# Allegro board TDI_KU5P_QSFP28_CXP_V001-20240805_1841.brd (continued)
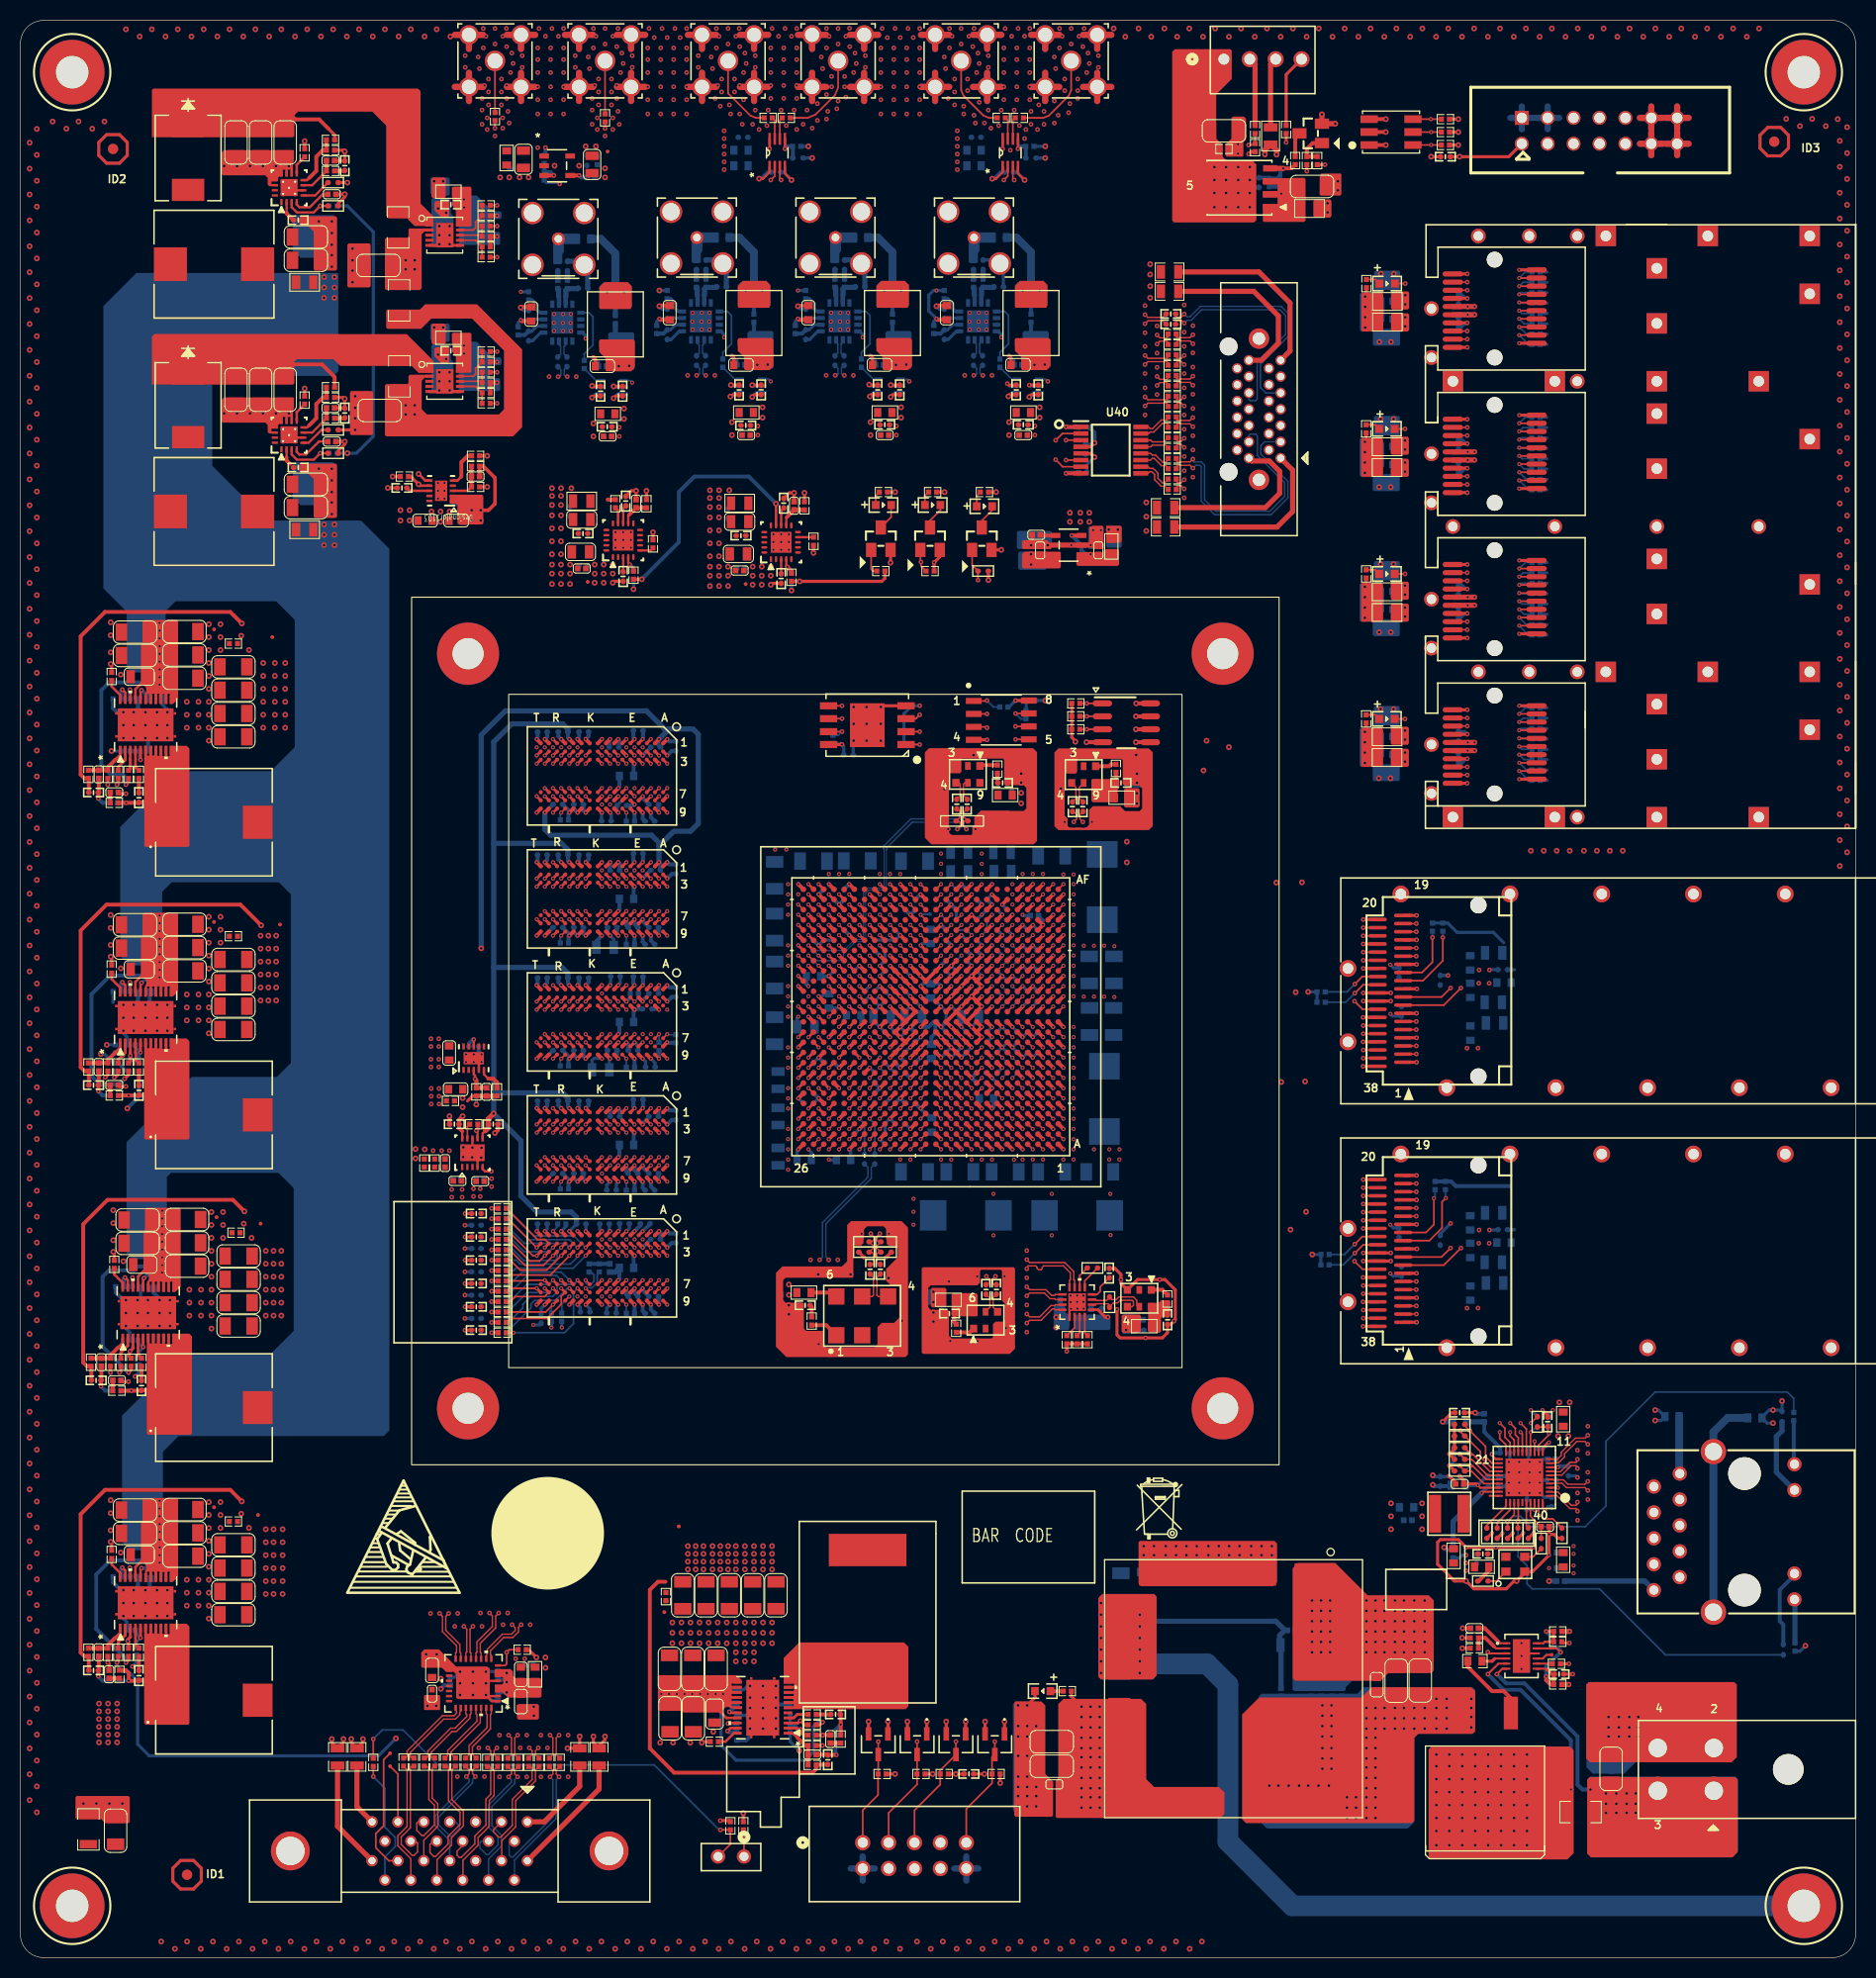
[diagram p0: board, top side]
## Routing (per net, layer and track width the routed paths; a pad name or vN(x,y) marks a point on that pad's centre or on a via; arc(x,y) is an arc through that point) (continued)
  ART12 w0.165: v1(55.44,117.9) U6.K2 63.84,118.3
  ART12 w0.191: v1(77.29,100.28) 77,100.28 76.5,100.78 75.92,100.78 75.76,100.94 69.67,100.94 69.48,101.13 69.48,101.56 69.67,101.75 70.97,101.75 71.16,101.95 71.16,102.33 70.97,102.52 69.67,102.52 69.48,102.71 69.48,103.09 69.67,103.28 70.97,103.28 71.16,103.47 71.16,103.85 70.97,104.04 69.67,104.04 69.48,104.23 69.48,104.61 69.67,104.8 70.97,104.8 71.16,104.99 71.16,105.37 70.97,105.56 69.67,105.56 69.48,105.76 69.48,106.14 69.67,106.33 70.97,106.33 71.16,106.52 71.16,106.9 70.97,107.09 69.67,107.09 69.48,107.28 69.48,114.43 65.61,118.3 63.84,118.3
  BOTTOM w0.17: R95.1 50.35,70.79 54.29,70.79 v1(55.44,69.64)
CHA_FPGA_DDR4_C1_CS: length 123.3
  TOP w0.267: U6.L7 v1(54.64,114.7) ; U9.L7 v1(54.64,66.44) ; U1.V26 v1(76.29,97.28) ; U7.L7 v1(54.64,78.51) ; U8.L7 v1(54.64,90.57) ; U5.L7 v1(54.64,102.64)
  ART10 w0.165: v1(54.64,114.7) U6.L7 55.04,113.73 55.27,113.5 64,113.5
  ART10 w0.191: 64,113.5 69.47,113.5 73.47,109.5 73.47,108.34 73.66,108.15 74.93,108.15 75.15,107.94 75.15,107.58 74.96,107.39 73.66,107.39 73.47,107.2 73.47,106.82 73.66,106.63 74.93,106.63 75.15,106.41 75.15,106.06 74.96,105.87 73.66,105.87 73.47,105.68 73.47,105.3 73.66,105.1 74.65,105.1 74.84,104.91 74.84,104.53 74.65,104.34 73.66,104.34 73.47,104.15 73.47,103.77 73.66,103.58 74.65,103.58 74.84,103.39 74.84,103.01 74.65,102.82 73.66,102.82 73.47,102.63 73.47,102.25 73.66,102.06 74.81,102.06 75,101.87 75,101.49 74.81,101.29 73.66,101.29 73.47,101.1 73.47,100.72 73.66,100.53 75.01,100.53 75.22,100.32 75.22,99.96 75.03,99.77 73.66,99.77 73.47,99.58 73.47,98.93 73.62,98.78 75.55,98.78 75.79,98.54 75.79,98.07 76.29,97.57 v1(76.29,97.28)
  ART12 w0.122: v1(54.64,114.7) 54.24,114.3 54.24,113.29 55.04,112.49 55.04,111.57 54.94,111.47 54.75,111.47 54.63,111.35 54.63,111.1 54.75,110.98 54.94,110.98 55.06,110.86 55.06,110.61 54.94,110.49 54.75,110.49 54.63,110.37 54.63,110.13 54.75,110 54.94,110 55.06,109.88 55.06,109.64 54.94,109.52 54.75,109.52 54.63,109.39 54.63,109.15 54.75,109.03 54.94,109.03 55.04,108.92 55.04,103.82 54.64,103.42 v1(54.64,102.64) 54.64,102.48 54.46,102.3 54.24,102.08 54.24,101.22 55.04,100.42 55.04,99.51 54.94,99.4 54.75,99.4 54.63,99.28 54.63,99.04 54.75,98.91 54.94,98.91 55.06,98.79 55.06,98.55 54.94,98.43 54.75,98.43 54.63,98.3 54.63,98.06 54.75,97.94 54.94,97.94 55.06,97.82 55.06,97.57 54.94,97.45 54.75,97.45 54.63,97.33 54.63,97.09 54.75,96.96 54.94,96.96 55.04,96.86 55.04,91.75 54.64,91.35 v1(54.64,90.57) 54.64,90.41 54.46,90.24 54.24,90.01 54.24,89.16 55.04,88.36 55.04,87.48 54.94,87.37 54.72,87.37 54.6,87.25 54.6,87.01 54.72,86.89 54.94,86.89 55.06,86.76 55.06,86.52 54.94,86.4 54.72,86.4 54.6,86.28 54.6,86.03 54.72,85.91 54.94,85.91 55.06,85.79 55.06,85.54 54.94,85.42 54.72,85.42 54.6,85.3 54.6,85.06 54.72,84.93 54.94,84.93 55.06,84.81 55.06,84.57 54.94,84.45 54.72,84.45 54.6,84.32 54.6,84.08 54.72,83.96 54.94,83.96 55.04,83.85 55.04,79.69 54.64,79.29 v1(54.64,78.51) 54.64,78.35 54.46,78.17 54.24,77.95 54.24,77.09 55.04,76.29 55.04,75.38 54.94,75.27 54.75,75.27 54.63,75.15 54.63,74.91 54.75,74.78 54.94,74.78 55.06,74.66 55.06,74.42 54.94,74.3 54.75,74.3 54.63,74.17 54.63,73.93 54.75,73.81 54.94,73.81 55.06,73.69 55.06,73.44 54.94,73.32 54.75,73.32 54.63,73.2 54.63,72.96 54.75,72.83 54.94,72.83 55.04,72.73 55.04,67.62 54.64,67.22 v1(54.64,66.44)
  BOTTOM w0.17: v1(54.64,66.44) 54.64,66.38 54.3,66.04 52.8,66.04 52.64,65.89 52.64,65.28 52.21,64.85 50.05,64.85 49.29,64.08 49.29,63.73 47.87,62.31 R89.1
CHA_FPGA_DDR4_C1_D0: length 27.7
  TOP w0.267: U5.G2 v1(58.64,105.84) ; U1.AD24 v1(78.29,103.28)
  ART03 w0.165: v1(58.64,105.84) 59.04,106.24 61.33,106.24
  ART03 w0.191: 61.33,106.24 61.5,106.4 63.59,106.4 63.97,106.02 67.5,106.02 67.73,106.25 67.73,106.95 67.87,107.09 68.36,107.09 68.55,106.9 68.55,106.26 68.74,106.07 69.12,106.07 69.31,106.26 69.31,106.9 69.5,107.09 69.88,107.09 70.07,106.9 70.07,106.26 70.27,106.07 70.65,106.07 70.84,106.26 70.84,106.9 71.03,107.09 72.43,107.09 73.5,106.02 75.25,106.02 75.79,105.48 75.79,105 76.01,104.78 77.59,104.78 77.79,104.58 77.79,104.07 78.29,103.57 v1(78.29,103.28)
CHA_FPGA_DDR4_C1_D1: length 29.4
  TOP w0.267: U5.F7 v1(59.44,102.64) ; U1.AB25 v1(77.29,101.28)
  ART03 w0.165: v1(59.44,102.64) U5.F7 59.04,100.9 59.23,100.71
  ART03 w0.191: 59.23,100.71 59.87,100.71 60.06,100.9 60.06,101.16 60.25,101.35 60.63,101.35 60.82,101.16 60.82,100.9 61.01,100.71 61.39,100.71 61.59,100.9 61.59,101.16 61.78,101.35 62.16,101.35 62.35,101.16 62.35,100.9 62.54,100.71 63.69,100.71 64,100.41 64,99.28 64.19,99.09 65.09,99.09 65.28,99.28 65.28,99.5 65.47,99.69 65.86,99.69 66.05,99.5 66.05,99.28 66.24,99.09 66.62,99.09 66.81,99.28 66.81,99.5 67,99.69 67.38,99.69 67.57,99.5 67.57,99.28 67.76,99.09 68.14,99.09 68.33,99.28 68.33,99.5 68.52,99.69 68.9,99.69 69.09,99.5 69.09,99.28 69.28,99.09 69.67,99.09 69.86,99.28 69.86,99.5 70.05,99.69 70.43,99.69 70.62,99.5 70.62,99.28 70.81,99.09 71.19,99.09 71.38,99.28 71.38,99.5 71.57,99.69 71.95,99.69 72.14,99.5 72.14,99.28 72.33,99.09 72.71,99.09 72.9,99.28 72.9,99.5 73.09,99.69 74.13,99.69 74.95,100.51 75.48,100.51 75.75,100.78 76.5,100.78 77,101.28 v1(77.29,101.28)
CHA_FPGA_DDR4_C1_D2: length 27.1
  TOP w0.267: U1.AD25 v1(77.29,103.28) ; U5.H3 v1(57.84,105.04)
  ART03 w0.165: 63.59,105.44 58.24,105.44 v1(57.84,105.04)
  ART03 w0.191: 63.59,105.44 71.33,105.44 71.52,105.63 71.52,106.31 71.71,106.5 72.09,106.5 72.29,106.31 72.29,105.63 72.48,105.44 73.11,105.44 73.3,105.24 73.3,103.95 73.52,103.73 73.88,103.73 74.07,103.92 74.07,105.24 74.26,105.44 74.65,105.44 74.84,105.24 74.84,104.01 75.07,103.78 76.79,103.78 v1(77.29,103.28)
CHA_FPGA_DDR4_C1_D3: length 28.7
  TOP w0.267: U5.H7 v1(57.84,102.64) ; U1.AC24 v1(78.29,102.28)
  ART03 w0.165: v1(57.84,102.64) 58.24,102.24 58.24,100.06
  ART03 w0.191: 58.24,100.06 58.24,99.71 58.38,99.57 61.42,99.57 61.61,99.38 61.61,98.97 61.8,98.78 62.18,98.78 62.37,98.97 62.37,99.38 62.56,99.57 63.17,99.57 63.36,99.38 63.36,98.72 63.58,98.5 73.93,98.5 75.21,99.78 76.58,99.78 76.79,99.99 76.79,100.49 77.08,100.78 77.5,100.78 77.79,101.07 77.79,101.49 78.29,101.99 v1(78.29,102.28)
CHA_FPGA_DDR4_C1_D4: length 25.8
  TOP w0.267: U1.AF25 v1(77.29,105.28) ; U5.H2 v1(57.84,105.84)
  ART03 w0.165: 61.33,107.04 59.04,107.04 v1(57.84,105.84)
  ART03 w0.191: 61.33,107.04 61.46,106.91 63.76,106.91 63.97,107.12 63.97,107.49 64.18,107.7 64.64,107.7 64.83,107.51 64.83,106.85 65.02,106.65 65.4,106.65 65.59,106.85 65.59,107.51 65.78,107.7 66.17,107.7 66.36,107.51 66.36,106.85 66.55,106.65 66.93,106.65 67.12,106.85 67.12,107.51 67.31,107.7 72.74,107.7 75.4,106.6 76.37,106.2 v1(77.29,105.28)
CHA_FPGA_DDR4_C1_D5: length 29.4
  TOP w0.267: U5.H8 v1(57.84,101.83) ; U1.AB24 v1(78.29,101.28)
  ART03 w0.165: v1(57.84,101.83) U5.H8 57.44,100.08
  ART03 w0.191: 57.44,100.08 57.44,98.11 57.64,97.92 59.54,97.92 59.73,98.11 59.73,98.44 59.92,98.63 60.3,98.63 60.49,98.44 60.49,98.11 60.68,97.92 74.23,97.92 75.1,98.78 77.43,98.78 77.79,99.14 77.79,100.49 78.29,100.99 v1(78.29,101.28)
CHA_FPGA_DDR4_C1_D6: length 25.6
  TOP w0.267: U5.J3 v1(57.04,105.04) ; U1.AF24 v1(78.29,105.28)
  ART03 w0.165: 58.24,107.73 58.24,107.23 57.44,106.16 57.44,105.44 v1(57.04,105.04)
  ART03 w0.191: v1(78.29,105.28) 76.97,106.61 72.86,108.31 58.81,108.31 58.24,107.73
CHA_FPGA_DDR4_C1_D7: length 28.6
  TOP w0.267: U5.J7 v1(57.04,102.64) ; U1.AB26 v1(76.29,101.28)
  ART03 w0.165: v1(57.04,102.64) 57.6,103.2 59.65,103.2 59.84,103.02 59.84,102.38 59.98,102.23 63.73,102.23
  ART03 w0.191: v1(76.29,101.28) 75.34,101.28 75.17,101.12 74.34,101.12 73.5,100.28 73.02,100.28 72.83,100.47 72.83,100.9 72.63,101.09 72.25,101.09 72.06,100.9 72.06,100.47 71.87,100.28 71.49,100.28 71.3,100.47 71.3,100.9 71.11,101.09 70.73,101.09 70.54,100.9 70.54,100.47 70.35,100.28 65.68,100.28 65.49,100.47 65.49,102.37 65.3,102.57 64.92,102.57 64.73,102.37 64.73,101.26 64.54,101.07 64.18,101.07 63.92,101.32 63.92,102.04 63.73,102.23
CHA_FPGA_DDR4_C1_D8: length 27
  TOP w0.267: U1.AD21 v1(81.29,103.28) ; U5.A3 v1(63.44,105.04)
  ART05 w0.191: v1(81.29,103.28) 80.79,103.78 79.95,103.78 79.75,103.99 79.75,104.58 79.55,104.78 79.08,104.78 78.79,105.07 78.79,105.47 77.64,106.63 77.39,106.63 77.2,106.82 77.2,107.35 77.01,107.54 76.63,107.54 76.44,107.35 76.44,106.82 76.25,106.63 75.85,106.63 75.66,106.82 75.66,107.38 75.47,107.57 75.13,107.57 74.94,107.38 74.94,106.81 74.75,106.62 74.37,106.62 74.18,106.81 74.18,107.35 73.99,107.54 66.59,107.54 65.58,106.53 65.58,106.26 65.93,105.91 65.93,105.64 65.67,105.38 65.38,105.38 65.05,105.71 64.76,105.71 64.08,105.04 v1(63.44,105.04)
CHA_FPGA_DDR4_C1_D9: length 28.9
  TOP w0.267: U1.AC22 v1(80.29,102.28) ; U5.B8 v1(62.64,101.83)
  ART05 w0.191: v1(62.64,101.83) 63.28,101.19 63.71,101.19 63.9,101 63.9,99.94 64.11,99.72 64.62,99.72 64.81,99.91 64.81,101.28 65,101.47 65.38,101.47 65.57,101.28 65.57,99.91 65.76,99.72 66.14,99.72 66.33,99.91 66.33,101.28 66.52,101.47 66.9,101.47 67.09,101.28 67.09,99.91 67.28,99.72 72.1,99.72 72.33,99.95 72.33,100.88 72.52,101.07 74.59,101.07 74.88,100.78 79.59,100.78 79.79,100.99 79.79,101.78 v1(80.29,102.28)
CHA_FPGA_DDR4_C1_D10: length 27.3
  TOP w0.267: U1.AE23 v1(79.29,104.28) ; U5.C3 v1(61.84,105.04)
  ART05 w0.191: v1(61.84,105.04) 62.3,104.57 64.3,104.57 64.53,104.8 66.19,104.8 66.51,105.12 66.51,106.03 66.74,106.26 66.74,106.78 66.93,106.97 67.31,106.97 67.5,106.78 67.5,106.1 67.69,105.91 68.07,105.91 68.27,106.1 68.27,106.78 68.46,106.97 68.84,106.97 69.03,106.78 69.03,106.17 69.22,105.98 69.6,105.98 69.79,106.17 69.79,106.78 69.98,106.97 70.36,106.97 70.55,106.78 70.55,106.17 70.74,105.98 71.12,105.98 71.31,106.17 71.31,106.78 71.5,106.97 73.41,106.97 73.6,106.78 73.6,106.26 73.81,106.04 77.43,106.04 77.79,105.69 77.79,105.01 78.02,104.78 78.5,104.78 79,104.28 v1(79.29,104.28)
CHA_FPGA_DDR4_C1_D11: length 28.6
  TOP w0.267: U5.C7 v1(61.84,102.64) ; U1.AC23 v1(79.29,102.28)
  ART05 w0.165: 63.59,102.23 62.43,102.23 62.03,102.64 v1(61.84,102.64)
  ART05 w0.191: 63.59,102.23 63.9,102.23 64.07,102.06 67.61,102.06 67.8,101.87 67.8,100.5 67.99,100.3 68.37,100.3 68.57,100.5 68.57,101.89 68.76,102.08 69.18,102.08 69.38,101.89 69.38,100.5 69.57,100.3 69.95,100.3 70.14,100.5 70.14,101.71 70.33,101.9 70.71,101.9 70.9,101.71 70.9,100.5 71.09,100.3 71.5,100.3 71.69,100.5 71.69,101.59 71.88,101.78 73.33,101.78 73.52,101.97 73.52,102.2 73.71,102.39 74.09,102.39 74.28,102.2 74.28,101.97 74.47,101.78 78.79,101.78 v1(79.29,102.28)
CHA_FPGA_DDR4_C1_D12: length 26.8
  TOP w0.267: U1.AE21 v1(81.29,104.28) ; U5.C2 v1(61.84,105.84)
  ART05 w0.191: v1(61.84,105.84) 62.83,106.83 64.2,106.83 66.66,109.3 67.16,109.3 67.35,109.11 67.35,109 67.54,108.81 67.92,108.81 68.11,109 68.11,109.11 68.3,109.3 68.68,109.3 68.87,109.11 68.87,109 69.06,108.81 69.44,108.81 69.63,109 69.63,109.11 69.82,109.3 70.2,109.3 70.39,109.11 70.39,109 70.58,108.81 70.97,108.81 71.16,109 71.16,109.11 71.35,109.3 71.73,109.3 71.92,109.11 71.92,109 72.11,108.81 72.49,108.81 72.68,109 72.68,109.11 72.87,109.3 77.16,109.3 79.79,106.66 79.79,106.12 81.29,104.63 v1(81.29,104.28)
CHA_FPGA_DDR4_C1_D13: length 28.5
  TOP w0.267: U1.AC21 v1(81.29,102.28) ; U5.C8 v1(61.84,101.83)
  ART05 w0.165: v1(61.84,101.83) 61.84,101.32 62.24,100.47 62.24,99.63
  ART05 w0.191: 62.24,99.63 63.31,98.55 74.79,98.55 75.02,98.78 81.52,98.78 81.79,99.05 81.79,99.41 82.16,99.77 82.51,99.77 82.79,100.05 82.79,100.56 82.57,100.78 82.08,100.78 81.8,101.06 81.8,101.52 v1(81.29,102.28)
CHA_FPGA_DDR4_C1_D14: length 28.1
  TOP w0.267: U1.AD23 v1(79.29,103.28) ; U5.D3 v1(61.04,105.04)
  ART05 w0.191: v1(61.04,105.04) 60.62,104.62 60.62,103.37 60.81,103.17 61.27,103.17 61.46,103.37 61.46,103.87 61.65,104.06 64.4,104.06 64.56,104.22 66.9,104.22 67.09,104.41 67.09,105.14 67.28,105.33 67.66,105.33 67.85,105.14 67.85,104.41 68.04,104.22 68.48,104.22 68.67,104.41 68.67,105.22 68.86,105.41 71.97,105.41 72.16,105.6 72.16,106.21 72.35,106.4 72.73,106.4 72.93,106.21 72.93,105.6 73.12,105.41 74.37,105.41 74.56,105.22 74.56,104.94 74.75,104.75 77.41,104.75 77.71,104.44 77.71,104.16 78.09,103.78 78.45,103.78 78.95,103.28 v1(79.29,103.28)
CHA_FPGA_DDR4_C1_D15: length 28.6
  TOP w0.267: U5.D7 v1(61.04,102.64) ; U1.AB21 v1(81.29,101.28)
  ART05 w0.165: v1(61.04,102.64) 61.04,102.63 61.43,102.23 62.05,102.23 62.24,102.05 62.24,101.3 63.04,100.5 63.04,99.92
  ART05 w0.191: 63.04,99.92 63.04,99.54 63.44,99.14 73.07,99.14 73.26,99.33 73.26,100.27 73.45,100.46 73.84,100.46 74.03,100.27 74.03,99.33 74.22,99.14 74.51,99.14 75.16,99.78 81.64,99.78 81.79,99.94 81.79,100.49 81.29,100.99 v1(81.29,101.28)
CHA_FPGA_DDR4_C1_D16: length 43.9
  TOP w0.267: U6.G2 v1(58.64,117.9) ; U1.AE17 v1(85.29,104.28)
  ART05 w0.165: v1(58.64,117.9) 59.04,118.3 63.55,118.3 63.82,118.56
  ART05 w0.191: v1(85.29,104.28) 85.79,104.78 85.79,105.49 86.09,105.78 86.5,105.78 86.78,106.06 86.78,106.5 86.38,106.91 86.38,108.58 76.09,118.87 68.84,118.87 68.65,118.68 68.65,118.02 68.46,117.83 68.08,117.83 67.89,118.02 67.89,118.68 67.7,118.87 67.32,118.87 67.13,118.68 67.13,118.02 66.94,117.83 66.56,117.83 66.37,118.02 66.37,118.68 66.18,118.87 65.79,118.87 65.6,118.68 65.6,118.02 65.41,117.83 65.03,117.83 64.84,118.02 64.84,118.68 64.65,118.87 64.12,118.87 63.82,118.56
CHA_FPGA_DDR4_C1_D17: length 46.8
  TOP w0.267: U6.F7 v1(59.44,114.7) ; U1.AD19 v1(83.29,103.28)
  ART05 w0.165: v1(59.44,114.7) 59.84,114.3 60.47,114.3 60.64,114.13 60.64,113.45
  ART05 w0.191: 60.64,113.45 60.84,113.25 60.84,112.92 61.03,112.73 61.41,112.73 61.6,112.92 61.6,113.25 61.79,113.44 62.17,113.44 62.36,113.25 62.36,112.92 62.55,112.73 62.93,112.73 63.12,112.92 63.12,113.25 63.31,113.44 63.8,113.44 64,113.25 64,111.91 63.79,111.71 61.8,111.71 61.61,111.52 61.61,110.3 61.8,110.11 63.26,110.11 64.63,111.48 74.68,111.48 74.87,111.67 74.87,112.86 75.06,113.06 75.44,113.06 75.63,112.86 75.63,111.67 75.82,111.48 76.2,111.48 76.39,111.67 76.39,112.79 76.58,112.98 76.96,112.98 77.15,112.79 77.15,111.67 77.34,111.48 78.45,111.48 82.79,107.14 82.79,103.78 v1(83.29,103.28)
CHA_FPGA_DDR4_C1_D18: length 43.6
  TOP w0.267: U6.H3 v1(57.84,117.1) ; U1.AF17 v1(85.29,105.28)
  ART05 w0.165: 63.69,117.5 58.43,117.5 58.03,117.1 v1(57.84,117.1)
  ART05 w0.191: 63.69,117.5 63.9,117.5 64.15,117.25 69.25,117.25 69.44,117.44 69.44,118.07 69.63,118.26 70.02,118.26 70.21,118.07 70.21,117.44 70.4,117.25 70.78,117.25 70.97,117.44 70.97,118.07 71.16,118.26 71.54,118.26 71.73,118.07 71.73,117.44 71.92,117.25 72.3,117.25 72.49,117.44 72.49,118.07 72.68,118.26 73.06,118.26 73.25,118.07 73.25,117.44 73.44,117.25 73.83,117.25 74.02,117.44 74.02,118.07 74.21,118.26 74.59,118.26 74.78,118.07 74.78,117.44 74.97,117.25 75.35,117.25 75.54,117.44 75.54,117.69 75.73,117.88 76.11,117.88 76.3,117.69 76.3,117.44 76.49,117.25 76.88,117.25 85.79,108.33 85.79,106.07 85.29,105.57 v1(85.29,105.28)
CHA_FPGA_DDR4_C1_D19: length 45.1
  TOP w0.267: U1.AF19 v1(84.3,104.27) ; U6.H7 v1(57.84,114.7)
  ART05 w0.191: v1(57.84,114.7) 58.3,115.16 64.23,115.16 64.53,114.86 64.53,112.26 64.72,112.06 69.36,112.06 69.56,112.27 69.56,113.45 69.75,113.64 70.15,113.64 70.34,113.45 70.34,112.31 70.53,112.12 70.91,112.12 71.1,112.31 71.1,113.45 71.29,113.64 71.68,113.64 71.87,113.45 71.87,112.31 72.06,112.12 72.44,112.12 72.63,112.31 72.63,113.45 72.82,113.64 73.2,113.64 73.39,113.45 73.39,112.31 73.58,112.12 73.96,112.12 74.15,112.31 74.15,113.45 74.34,113.64 77.13,113.64 83.36,107.41 83.36,105.21 v1(84.3,104.27)
CHA_FPGA_DDR4_C1_D20: length 43.8
  TOP w0.267: U1.AD16 v1(86.29,103.28) ; U6.H2 v1(57.84,117.9)
  ART05 w0.165: v1(57.84,117.9) 57.84,118.09 59.04,119.29 59.04,119.75
  ART05 w0.191: 59.04,119.75 59.4,120.12 76.49,120.12 88.05,108.56 88.05,105.74 87.79,105.48 87.79,105.11 87.47,104.78 87.08,104.78 86.79,104.49 86.79,103.78 v1(86.29,103.28)
CHA_FPGA_DDR4_C1_D21: length 47.2
  TOP w0.267: U6.H8 v1(57.84,113.9) ; U1.AC19 v1(83.29,102.28)
  ART05 w0.165: v1(57.84,113.9) 57.44,113.5 57.44,111.84
  ART05 w0.191: 57.44,111.84 57.44,108.17 57.64,107.98 58.09,107.98 58.28,108.17 58.28,108.75 58.47,108.94 58.85,108.94 59.04,108.75 59.04,108.17 59.23,107.98 59.61,107.98 59.8,108.17 59.8,108.75 59.99,108.94 60.37,108.94 60.56,108.75 60.56,108.17 60.75,107.98 61.13,107.98 61.32,108.17 61.32,108.75 61.51,108.94 61.9,108.94 62.09,108.75 62.09,108.17 62.28,107.98 62.66,107.98 62.85,108.17 62.85,108.75 63.04,108.94 63.42,108.94 63.61,108.75 63.61,108.17 63.8,107.98 64.02,107.98 64.69,108.64 64.69,108.91 64.47,109.12 64.47,109.39 64.74,109.66 65.01,109.66 65.22,109.45 65.49,109.45 66.33,110.29 77.94,110.29 81.79,106.44 81.79,102.17 82.18,101.78 82.79,101.78 v1(83.29,102.28)
CHA_FPGA_DDR4_C1_D22: length 42.7
  TOP w0.267: U1.AE16 v1(86.29,104.28) ; U6.J3 v1(57.04,117.1)
  ART05 w0.165: 63.69,119.1 59.23,119.1 58.23,118.11 58.23,117.68 58.05,117.5 57.44,117.5 v1(57.04,117.1)
  ART05 w0.191: 63.69,119.1 64.05,119.46 76.34,119.46 87.49,108.31 87.49,108.02 87.3,107.83 87.15,107.83 86.96,107.64 86.96,107.26 87.15,107.07 87.3,107.07 87.49,106.88 87.49,106.19 86.79,105.49 86.79,105.07 86.29,104.57 v1(86.29,104.28)
CHA_FPGA_DDR4_C1_D23: length 44.7
  TOP w0.267: U6.J7 v1(57.04,114.7) ; U1.AF18 v1(84.29,105.28)
  ART05 w0.191: v1(84.29,105.28) 83.84,105.74 83.84,106.5 83.94,106.6 83.94,107.7 77.41,114.22 69.17,114.22 68.98,114.03 68.98,112.89 68.79,112.7 68.41,112.7 68.22,112.89 68.22,114.03 68.03,114.22 67.65,114.22 67.46,114.03 67.46,112.89 67.27,112.7 66.89,112.7 66.7,112.89 66.7,114.03 66.5,114.22 66.19,114.22 66,114.03 66,112.86 65.79,112.65 65.43,112.65 65.24,112.84 65.24,115.33 65.05,115.52 58.37,115.52 58.18,115.71 58.18,116.19 57.99,116.38 57.61,116.38 57.42,116.19 57.42,115.08 v1(57.04,114.7)
CHA_FPGA_DDR4_C1_D24: length 41.7
  TOP w0.267: U6.A3 v1(63.44,117.1) ; U1.Y17 v1(85.29,99.28)
  ART03 w0.191: v1(63.44,117.1) 63.63,117.3 81.35,117.3 87.79,110.85 87.79,101.06 87.51,100.78 87.08,100.78 86.79,100.49 86.79,100.01 86.56,99.78 85.79,99.78 v1(85.29,99.28)
CHA_FPGA_DDR4_C1_D25: length 41.3
  TOP w0.267: U1.AA18 v1(84.29,100.28) ; U6.B8 v1(62.64,113.9)
  ART03 w0.165: 63.67,114.3 63.04,114.3 v1(62.64,113.9)
  ART03 w0.191: v1(84.29,100.28) 84.29,100.33 84.79,100.83 84.79,109.13 79.9,114.02 78.92,114.02 78.73,114.21 78.73,114.52 78.53,114.71 78.15,114.71 77.96,114.52 77.96,114.21 77.77,114.02 77.39,114.02 77.2,114.21 77.2,114.52 77.01,114.71 76.63,114.71 76.44,114.52 76.44,114.21 76.25,114.02 75.87,114.02 75.68,114.21 75.68,114.52 75.49,114.71 75.11,114.71 74.92,114.52 74.92,114.21 74.72,114.02 74.34,114.02 74.15,114.21 74.15,114.52 73.96,114.71 73.58,114.71 73.39,114.52 73.39,114.21 73.2,114.02 72.82,114.02 72.63,114.21 72.63,114.52 72.44,114.71 72.06,114.71 71.87,114.52 71.87,114.21 71.68,114.02 71.3,114.02 71.11,114.21 71.11,114.52 70.91,114.71 70.53,114.71 70.34,114.52 70.34,114.21 70.15,114.02 69.77,114.02 69.58,114.21 69.58,114.52 69.39,114.71 69.01,114.71 68.82,114.52 68.82,114.21 68.63,114.02 63.95,114.02 63.67,114.3
CHA_FPGA_DDR4_C1_D26: length 42.1
  TOP w0.267: U6.C3 v1(61.84,117.1) ; U1.AA17 v1(85.29,100.28)
  ART03 w0.191: v1(85.29,100.28) 85.79,100.78 86.5,100.78 86.79,101.07 86.79,105.67 87,105.88 87.02,105.88 87.21,106.07 87.21,107.19 87.02,107.38 86.87,107.38 86.68,107.57 86.68,107.95 86.87,108.14 87.02,108.14 87.21,108.33 87.21,108.71 87.02,108.91 86.87,108.91 86.68,109.1 86.68,109.48 86.87,109.67 87.02,109.67 87.21,109.86 87.21,110.62 81.22,116.61 62.33,116.61 v1(61.84,117.1)
CHA_FPGA_DDR4_C1_D27: length 42.9
  TOP w0.267: U6.C7 v1(61.84,114.7) ; U1.AB19 v1(83.29,101.28)
  ART03 w0.165: 62.32,113.63 62.24,113.72 62.24,114.3 v1(61.84,114.7)
  ART03 w0.191: 62.32,113.63 62.52,113.44 63.96,113.44 64.15,113.25 64.15,112.51 64.34,112.32 64.73,112.32 64.92,112.51 64.92,113.25 65.11,113.44 65.49,113.44 65.68,113.25 65.68,112.51 65.87,112.32 66.25,112.32 66.44,112.51 66.44,113.25 66.63,113.44 67.01,113.44 67.2,113.25 67.2,112.51 67.39,112.32 67.77,112.32 67.96,112.51 67.96,113.25 68.15,113.44 68.54,113.44 68.73,113.25 68.73,112.51 68.92,112.32 69.3,112.32 69.49,112.51 69.49,113.25 69.68,113.44 70.06,113.44 70.25,113.25 70.25,112.51 70.44,112.32 70.82,112.32 71.01,112.51 71.01,113.25 71.2,113.44 79.57,113.44 83.79,109.21 83.79,101.78 v1(83.29,101.28)
CHA_FPGA_DDR4_C1_D28: length 40.7
  TOP w0.267: U1.AB20 v1(82.29,101.28) ; U6.C2 v1(61.84,117.9)
  ART03 w0.165: 61.43,112.12 61.44,112.12 61.44,117.5 v1(61.84,117.9)
  ART03 w0.191: v1(82.29,101.28) 81.79,101.78 81.79,105.38 81.98,105.58 82.4,105.58 82.59,105.77 82.59,106.15 82.4,106.34 81.98,106.34 81.79,106.53 81.79,106.91 81.98,107.1 82.4,107.1 82.59,107.29 82.59,107.67 82.4,107.86 81.98,107.86 81.79,108.05 81.79,109.53 81.32,110 81.06,110 80.88,109.83 80.61,109.83 80.34,110.1 80.34,110.37 80.52,110.54 80.52,110.81 80.18,111.15 61.62,111.15 61.43,111.34 61.43,112.12
CHA_FPGA_DDR4_C1_D29: length 43.6
  TOP w0.267: U6.C8 v1(61.84,113.9) ; U1.AA19 v1(83.29,100.28)
  ART03 w0.165: 62.24,112.01 62.24,113.06 61.84,113.46 v1(61.84,113.9)
  ART03 w0.191: v1(83.29,100.28) 83.29,100.57 82.79,101.07 82.79,104.7 83.2,105.11 83.2,108.94 80.41,111.73 78.96,111.73 78.76,111.93 78.76,112.66 78.57,112.85 78.19,112.85 78,112.66 78,111.93 77.81,111.73 77.43,111.73 77.24,111.93 77.24,112.66 77.05,112.85 76.67,112.85 76.48,112.66 76.48,111.93 76.29,111.73 75.91,111.73 75.72,111.93 75.72,112.66 75.53,112.85 75.15,112.85 74.95,112.66 74.95,111.93 74.76,111.73 74.38,111.73 74.19,111.93 74.19,112.66 74,112.85 73.62,112.85 73.43,112.66 73.43,111.93 73.24,111.73 72.86,111.73 72.67,111.93 72.67,112.66 72.48,112.85 72.1,112.85 71.91,112.66 71.91,111.93 71.72,111.73 62.44,111.73 62.24,111.93 62.24,112.01
CHA_FPGA_DDR4_C1_D30: length 40.7
  TOP w0.267: U6.D3 v1(61.04,117.1) ; U1.AA20 v1(82.29,100.28)
  ART03 w0.165: v1(61.04,117.1) 59.84,115.9 59.84,112.12
  ART03 w0.191: 59.84,112.12 59.84,110.14 60.02,109.96 78.5,109.96 79.79,108.66 79.79,100.08 80.09,99.78 81.79,99.78 v1(82.29,100.28)
CHA_FPGA_DDR4_C1_D31: length 39.6
  TOP w0.267: U1.Y18 v1(84.29,99.28) ; U6.D7 v1(61.04,114.7)
  ART03 w0.165: 60.64,112.01 60.64,114.29 61.04,114.69 v1(61.04,114.7)
  ART03 w0.191: 60.64,112.01 60.64,110.74 60.84,110.54 79.06,110.54 80.42,109.18 80.42,108.71 80.61,108.52 80.98,108.52 81.17,108.33 81.17,107.95 80.98,107.76 80.61,107.76 80.42,107.57 80.42,107.1 80.79,106.72 80.79,101 81.01,100.78 82.5,100.78 82.79,100.49 82.79,100.13 83.14,99.78 83.79,99.78 v1(84.29,99.28)
CHA_FPGA_DDR4_C1_D32: length 39.7
  TOP w0.267: U7.G2 v1(58.64,81.71) ; U1.L20 v1(82.29,89.28)
  ART12 w0.165: v1(58.64,81.71) 58.64,81.52 58.37,81.25 58.24,81.12 58.24,80.75
  ART12 w0.191: 58.24,80.75 58.24,80.21 58.99,79.45 64.15,79.45 65.34,80.64 65.34,81.13 68.64,84.43 68.91,84.43 69.25,84.09 69.52,84.09 69.79,84.35 69.79,84.62 69.45,84.96 69.45,85.23 69.72,85.5 69.99,85.5 70.33,85.16 70.6,85.16 70.87,85.43 70.87,85.7 70.53,86.04 70.53,86.31 70.8,86.58 71.07,86.58 71.41,86.24 71.68,86.24 71.95,86.51 71.95,86.78 71.61,87.12 71.61,87.39 71.88,87.66 72.15,87.66 72.49,87.32 72.75,87.32 73.02,87.59 73.02,87.86 72.68,88.2 72.68,88.47 72.99,88.77 74.58,88.77 74.77,88.96 74.77,89.57 74.96,89.76 75.54,89.76 75.73,89.57 75.73,88.96 75.92,88.77 76.7,88.77 76.89,88.96 76.89,89.52 77.08,89.71 77.46,89.71 77.66,89.52 77.66,88.96 77.84,88.78 81.5,88.78 82,89.28 v1(82.29,89.28)
CHA_FPGA_DDR4_C1_D33: length 39.6
  TOP w0.267: U7.F7 v1(59.44,78.51) ; U1.K21 v1(82.3,88.28)
  ART12 w0.165: 63.58,78.1 60.03,78.1 59.63,78.51 v1(59.44,78.51)
  ART12 w0.191: 63.58,78.1 65.42,78.1 66,78.68 66.27,78.68 66.9,78.05 67.17,78.05 67.44,78.32 67.44,78.59 66.81,79.22 66.81,79.49 67.08,79.76 67.35,79.76 67.98,79.13 68.25,79.13 68.52,79.4 68.52,79.67 67.89,80.3 67.89,80.57 68.16,80.84 68.42,80.84 69.06,80.21 69.33,80.21 69.6,80.48 69.6,80.75 68.96,81.38 68.96,81.65 69.23,81.92 69.5,81.92 70.13,81.29 70.4,81.29 70.67,81.56 70.67,81.82 70.04,82.46 70.04,82.73 70.31,83 70.58,83 71.21,82.36 71.48,82.36 71.75,82.63 71.75,82.9 71.12,83.54 71.12,83.8 74.05,86.73 74.47,86.73 74.85,86.36 75.23,86.36 75.42,86.55 75.42,86.58 75.61,86.78 80.5,86.78 80.79,87.07 80.79,87.48 81.27,87.96 81.98,87.96 v1(82.3,88.28)
CHA_FPGA_DDR4_C1_D34: length 38.9
  TOP w0.267: U1.M21 v1(81.29,90.27) ; U7.H3 v1(57.84,80.91)
  ART12 w0.165: v1(57.84,80.91) 57.84,81.09 58.11,81.36 58.11,81.36 58.24,81.49 58.24,82.58
  ART12 w0.191: v1(81.29,90.27) 80.79,90.77 80.79,91.43 80.45,91.78 75.17,91.78 75,91.95 72.18,91.95 72.05,91.82 71.78,91.82 71.46,92.14 71.2,92.14 70.93,91.87 70.93,91.6 71.24,91.28 71.24,91.01 70.97,90.74 70.7,90.74 70.39,91.06 70.12,91.06 69.85,90.79 69.85,90.52 70.16,90.2 70.16,89.93 69.89,89.66 69.62,89.66 69.31,89.98 69.04,89.98 68.77,89.71 68.77,89.44 69.08,89.13 69.08,88.86 68.82,88.59 68.55,88.59 68.23,88.9 67.96,88.9 67.69,88.63 67.69,88.36 68.01,88.05 68.01,87.78 64.61,84.38 64.61,83.06 64.35,82.8 63.35,82.8 63.16,82.61 63.16,82.41 62.97,82.22 62.59,82.22 62.4,82.41 62.4,82.61 62.21,82.8 61.83,82.8 61.64,82.61 61.64,82.41 61.45,82.22 61.07,82.22 60.88,82.41 60.88,82.61 60.69,82.8 60.31,82.8 60.12,82.61 60.12,82.41 59.93,82.22 59.54,82.22 59.35,82.41 59.35,82.61 59.16,82.8 58.46,82.8 58.24,82.58
